# Altium PCB S7V10Logger.PcbDoc (part 1 of 2) (continued)
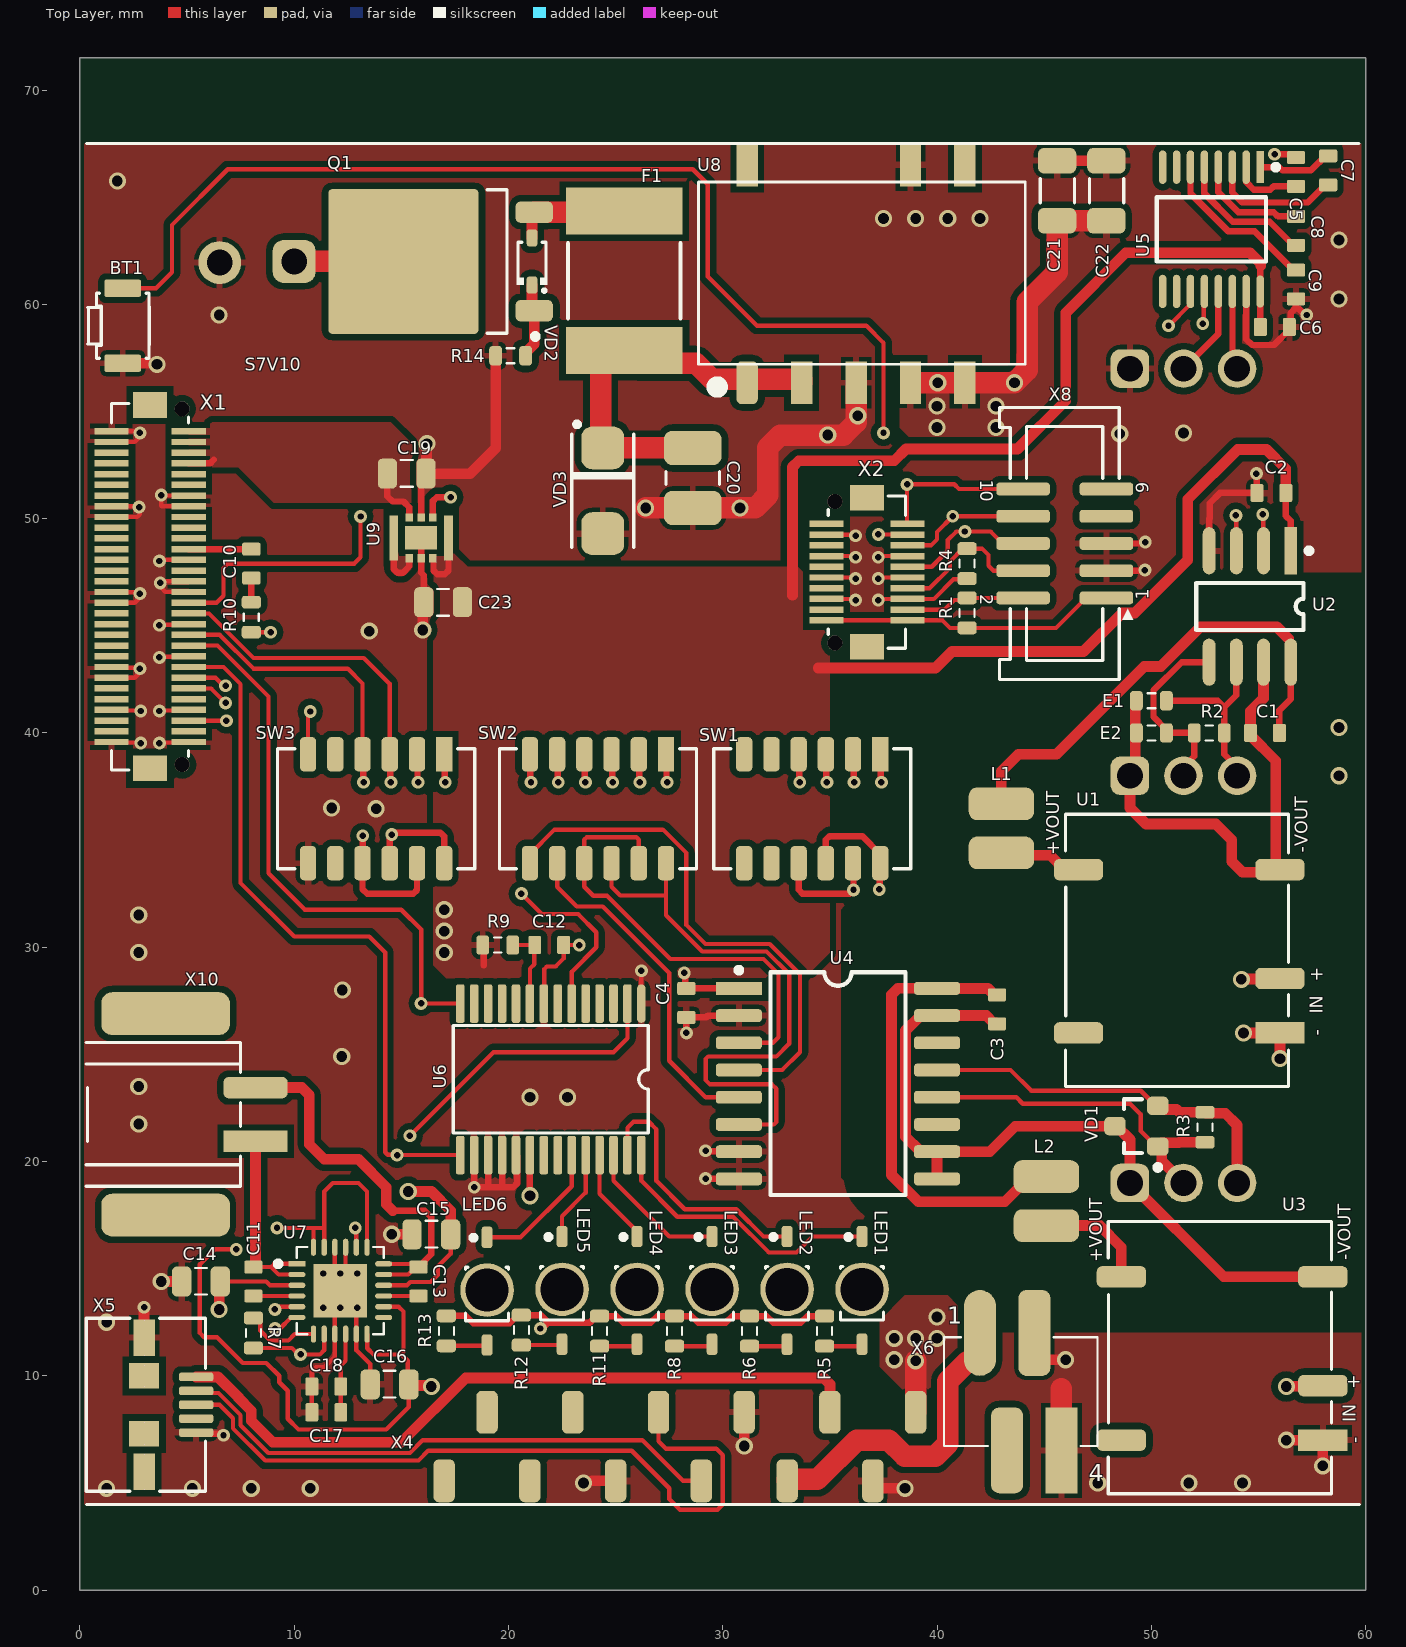
[diagram p0: Top Layer view]
## Design rules (kind name [scope] priority, off if disabled: settings)
BoardOutlineClearance [All] p1: gap=0.2 ignorepadtopadclearanceinfootprint=FALSE
Clearance Clearance_Isol2_pads [InNetClass('Isol2') vs (InPadClass('Isol2_pads'))] p1: gap=0.15 ignorepadtopadclearanceinfootprint=FALSE
Clearance Clearance_Isol2 [InNetClass('Isol2') vs not InNetClass('Isol2')] p2: gap=2 ignorepadtopadclearanceinfootprint=TRUE
Clearance Clearance_Isol1 [InNetClass('Isol1') vs not InNetClass('Isol1')] p3: gap=2 ignorepadtopadclearanceinfootprint=TRUE
Clearance Clearance_Polygons [InPolygon] p4: gap=0.3 ignorepadtopadclearanceinfootprint=FALSE
Clearance Clearance_24V [InNetClass('24V')] p5: gap=0.3 ignorepadtopadclearanceinfootprint=TRUE
Clearance [All] p6: gap=0.15 ignorepadtopadclearanceinfootprint=FALSE
ComponentClearance [All] p1: gap=0 collisioncheckmode=3 verticalgap=0 showdistances=FALSE
Height [All] p1: minheight=0 maxheight=100 prefheight=12.7
HoleSize [All] p1: absolutevalues=TRUE maxlimit=5 minlimit=0.1 maxpercent=80.000 minpercent=20.000
HoleToHoleClearance [All] p1: gap=0.15 allowstackedmicrovias=TRUE
MinimumAnnularRing [All] p1: minimumring=0.1
MinimumSolderMaskSliver [All] p1: minsoldermaskwidth=0.05
PlaneClearance [All] p1: clearance=0.15
PlaneConnect [All] p1: planeconnectstyle=Direct reliefexpansion=0.508 reliefentries=4 reliefconductorwidth=0.254 reliefairgap=0.254
PolygonConnect PolygonConnect_U9 [InComponent('U9') or InComponent('C19')  or InComponent('C23')] p1: thpad.connectstyle=Direct thpad.reliefconductorwidth=0.254 thpad.reliefentries=4 thpad.polygonreliefangle="90 Angle" thpad.airgapwidth=0.254 smdpad.connectstyle=Direct smdpad.reliefconductorwidth=0.254 smdpad.reliefentries=4 smdpad.polygonreliefangle="90 Angle" smdpad.airgapwidth=0.254 via.connectstyle=Relief via.reliefconductorwidth=0.254 via.reliefentries=4 via.polygonreliefangle="90 Angle" via.airgapwidth=0.254
PolygonConnect [All] p2: thpad.connectstyle=Relief thpad.reliefconductorwidth=0.3 thpad.reliefentries=4 thpad.polygonreliefangle="90 Angle" thpad.airgapwidth=0.2 smdpad.connectstyle=Relief smdpad.reliefconductorwidth=0.3 smdpad.reliefentries=4 smdpad.polygonreliefangle="90 Angle" smdpad.airgapwidth=0.2 via.connectstyle=Direct via.reliefconductorwidth=0.2 via.reliefentries=4 via.polygonreliefangle="90 Angle" via.airgapwidth=0.2
RoutingVias [All] p1: holewidth=0.15 width=0.45 viastyle="Through Hole" minholewidth=0.15 minwidth=0.45 maxholewidth=5 maxwidth=6
SilkToSilkClearance [All] p1: silktosilkclearance=0.05
SilkToSolderMaskClearance [IsPad] p1: minsilkscreentomaskgap=0 clearancetoexposedcopper=TRUE
SolderMaskExpansion [All] p1: expansion=0.05 istentingtop=FALSE
Width [All] p1: maxlimit=10 minlimit=0.1 preferedwidth=0.3
21 further rules are at their usual default settings.

## Classes and differential pairs
pad class Isol2_pads: U4-11 U4-14
net class Isol2: IGND2 ISO5V_2 NetL2_1 NetR3_1 NetR3_2
net class Isol1: CAN0H CAN0L IGND1 ISO5V_1 NetL1_1
net class 24V: +24V NetC20_1 NetF1_1 NetQ1_1

## Components (designator, comment, footprint, x,y, rotation, side; value= is the part's Value field where it differs from the comment)
BT1 "B3U-3000P" B3U-3000P 2,59 r90 top
C1 "CL10B104KA8NNND" "0603 CAP" 55.3,40 r0 top value=0.1µF
C2 "CL10B104KA8NNND" "0603 CAP" 55.6,51.2 r180 top value=0.1µF
C3 "CL10B104KA8NNND" "0603 CAP" 42.8,27.1 r90 top value=0.1µF
C4 "CL10B104KA8NNND" "0603 CAP" 28.3,27.4 r90 top value=0.1µF
C5 "CL10B104KA8NNND" "0603 CAP" 56.75,66.175 r90 top value=0.1µF
C6 "CL10B104KA8NNND" "0603 CAP" 55.762,58.938 r0 top value=0.1µF
C7 "CL10B104KA8NNND" "0603 CAP" 58.25,66.25 r90 top value=0.1µF
C8 "CL10B104KA8NNND" "0603 CAP" 56.75,63.425 r90 top value=0.1µF
C9 "CL10B104KA8NNND" "0603 CAP" 56.75,60.925 r90 top value=0.1µF
C10 "Capacitor" "0603 CAP" 8,47.9 r270 top value=1µF
C11 "CL10B104KA8NNND" "0603 CAP" 8.1,14.4 r270 top value=0.1µF
C12 "Capacitor" "0603 CAP" 21.9,30.1 r0 top value=33pF
C13 "CL10B104KA8NNND" "0603 CAP" 15.8,14.4 r90 top value=0.1µF
C14 "Capacitor" "0805 CAP" 5.6,14.4 r180 top value=10µF
C15 "Capacitor" "0805 CAP" 16.35,16.6 r180 top value=10µF
C16 "Capacitor" "0805 CAP" 14.4,9.6 r180 top value=10µF
C17 "Capacitor" "0603 CAP" 11.5,8.3 r180 top value=1µF
C18 "Capacitor" "0603 CAP" 11.5,9.5 r180 top value=1µF
C19 "Capacitor" "0805 CAP" 15.2,52.1 r180 top value=10µF
C20 "GRM32DF51H106ZA01L" 3225[1210] 28.6,51.9 r270 top value="10 uF"
C21 "Capacitor" "1206 CAP" 45.6,65.3 r90 top value=10µF
C22 "Capacitor" "1206 CAP" 47.9,65.3 r90 top value=10µF
C23 "Capacitor" "0805 CAP" 17,46.1 r0 top value=10µF
E1 "823 560 505 60" 0603 50,41.5 r0 top
E2 "823 560 505 60" 0603 50,40 r0 top
F1 "0ZCF0075AF2C" "2920 (7351 Metric)" 25.4,61.1 r270 top value=1.5A
L1 "82223C" "8200 Series Murata" 43,34.4 r90 top value="22 uH"
L2 "82223C" "8200 Series Murata" 45.1,17.01 r90 top value="22 uH"
LED1 "SSL-LXA228SIC-TR31" SSL-LXA228SIC-TR31 36.5,11.475 r90 top
LED2 "SSL-LXA228SIC-TR31" SSL-LXA228SIC-TR31 33,11.475 r90 top
LED3 "SSL-LXA228SIC-TR31" SSL-LXA228SIC-TR31 29.5,11.475 r90 top
LED4 "SSL-LXA228SIC-TR31" SSL-LXA228SIC-TR31 26,11.475 r90 top
LED5 "SSL-LXA228SIC-TR31" SSL-LXA228SIC-TR31 22.5,11.475 r90 top
LED6 "SSL-LXA228SIC-TR31" SSL-LXA228SIC-TR31 19,11.44 r90 top
Q1 "ATP112-TL-H" "ATPAK, On Semiconductor" 16.85,62 r180 top
R1 "Resistor" 0603 41.4,45.6 r270 top value="10 k"
R2 "RL0603E120-1" 0603 52.7,40 r0 top value="120 R"
R3 "RL0603E120-1" 0603 52.5,21.6 r90 top value="120 R"
R4 "Resistor" 0603 41.4,47.9 r270 top value="10 k"
R5 "Resistor" 0603 34.75,12.086 r90 top value=200
R6 "Resistor" 0603 31.25,12.086 r90 top value=200
R7 "Resistor" 0603 8.1,12 r90 top value="30 k"
R8 "Resistor" 0603 27.75,12.086 r90 top value=200
R9 "Resistor" 0603 19.5,30.1 r180 top value="3.92 k"
R10 "Resistor" 0603 8,45.4 r270 top value="22 k"
R11 "Resistor" 0603 24.25,12.086 r90 top value=200
R12 "Resistor" 0603 20.6,12.136 r90 top value=200
R13 "Resistor" 0603 17.1,12.1 r90 top value=200
R14 "RL0603K100-1" 0603 20.1,57.6 r0 top value="100 K"
S7V10 "Comment" S7V10 39.995,6.675 r90 top locked
SW1 "CHS-06TA" "CHS-06TA Copal Electronics" 34.175,36.46 r180 top
SW2 "CHS-06TA" "CHS-06TA Copal Electronics" 24.175,36.46 r180 top
SW3 "CHS-06TA" "CHS-06TA Copal Electronics" 13.825,36.46 r180 top
U1 "NXE1S0305MC-R7" "NXE1 Murata" 56,26 r90 top
U2 "ISO1044BD" SO-8 54.6,45.9 r180 top
U3 "NXE1S0305MC-R7" "NXE1 Murata" 58,7 r90 top
U4 "ISO3088DWR" SO-G16/D10.4 30.75,28.08 r270 top
U5 "SP3232EUEY-L" TSOP65P640-16AM 52.8,63.5 r270 top
U6 "MCP23016-I/SS" MICROCHIP_SSOP28_0.65_5.3 26.2,27.37 r270 top
U7 "MAX9768BETG+" "THIN QFN 24 with via" 12.15,13.975 r0 top
U8 "SVR10S05" SVR10S05 31.14,56.34 r0 top
U9 "XCL220B333FR-G" XCL219 15.925,49.1 r0 top
VD1 "CDSOT23-SM712" SOT23 50.3,20.7 r90 top
VD2 "MM3Z10VB" SOD323 21.1,62 r90 top
VD3 "SMAJ28A" SMA 24.4,51.3 r90 top value="28 V"
X1 "10132797-067100LF" 10132797-067100LF 3.275,46.825 r90 top
X2 "10132797-027100LF" 10132797-027100LF 36.728,47.501 r270 top locked
X3 "1881561" 1881561 54,38 r270 bottom
X4 "SMM-112-02-S-S" SMM-112-02-S-S 39,8.3 r180 top locked
X5 "10104110-0001LF" "FCI micro USB B receptacle SMD" 5.427,9.95 r270 top
X6 "AMP188275-4" AMP188275-4 43.905,9.26 r0 top
X7 "1881561" 1881561 54,19 r270 bottom
X8 "SHF-105-01-L-D-SM" SHF-105-01-L-D-SM 47.9,46.3 r90 top
X9 "1881561" 1881561 54,57 r270 bottom
X10 "1814919" 1814919 8.2,20.95 r270 top
X11 "MCV 1,5/2-G-3,5" "mcv1.5-2-g_3.5 Green  + MC 1,5 2-ST-3,5 - 1840366" 10.025,61.949 r270 bottom

## Footprints (in the part's own frame and the unit in brackets; to place one, negate y for a bottom-side part, rotate by r counter-clockwise, add the part's x,y. Pads: shape width x height; smd on the part's side, far side on the other; paste and mask are expansions set on the pad)
0603 [mm] "Chip Resistor; Body 1.6 x 0.8 mm (LxW typ)"
  rrect50% 0.6x0.9 smd mask+0.06: 1(-0.7,0) 2(0.7,0)
  silkscreen extent -0.18,-0.35 0.18,0.35, body extent -0.79,-0.4 0.81,0.4, height 0.45
"0603 CAP" [mm] "Chip Capacitor; Body 1.6 x 0.8 mm (LxW typ)"
  rrect25% 0.6x0.85 smd mask+0.06: 1(-0.675,0) 2(0.675,0)
  body extent -0.85,-0.45 0.85,0.45, height 0.8
"0805 CAP" [mm] "Chip Capacitor; Body 2.0 x 1.2 mm (LxW typ)"
  rrect50% 0.9x1.4 smd mask+0.07: 1(-0.95,0) 2(0.85,0)
  silkscreen extent -0.33,-0.64 0.23,0.61, body extent -1.05,-0.64 0.95,0.62, height 1.25
"1206 CAP" [mm] "Chip Capacitor; Body 3.2 x 1.6 mm (LxW typ)"
  rrect50% 1.2x1.8 smd: 1(-1.4,0) 2(1.4,0)
  silkscreen extent -0.56,-0.81 0.56,0.79, body extent -1.6,-0.81 1.6,0.79, height 1.15
"2920 (7351 Metric)" [mm] "Chip Resistor, 2-Leads, Body 7.36x5.12mm, IPC Medium Density"
  rect 2.2x5.45 smd: 1(-3.25,0) 2(3.25,0)
  silkscreen extent -1.75,-2.62 1.75,2.63, body extent -3.99,-2.72 3.99,2.72, height 1.15
3225[1210] [mm] "Chip Capacitor; Body 3.2 x 2.5 mm (LxW typ)"
  rrect50% 1.6x2.7 smd: 1(-1.4,0) 2(1.4,0)
  silkscreen extent -0.3,-1.25 0.3,1.25, body extent -1.6,-1.25 1.6,1.25, height 1.15
"8200 Series Murata" [mm]
  rrect50% 1.52x3.05 smd mask+0.1: 1(0,0) 2(2.29,0)
  body extent -0.45,-1.6 2.75,1.6, height 2
1814919 [mm] "PTSM 0,5/ 2-HH0-2,5-SMD WH R32, Phoenix"
  rect 1x3 smd: 1(0,0)
  rrect50% 1x3 smd: 2(-2.5,0)
  rrect50% 2x6 smd: M1(-5.95,-4.2) M2(3.45,-4.2)
  silkscreen extent -4.6,-7.9 2.1,-0.7, body extent -6.58,-8.19 4.02,1.31, height 5
1881561 [mm] "Printed-circuit board connector - MCV 0,5/ 3-G-2,5 Phoenix"
  rrect50% 1.8x1.8 / inner round 1.8 / far side round 1.8 hole 1.2 mask+0.07: 1(0,0)
  round 1.8 hole 1.2 mask+0.07: 2(0,2.5)
  round 1.8 / inner rrect50% 1.8x1.8 / far side rrect50% 1.8x1.8 hole 1.2 mask+0.07: 3(0,5)
  silkscreen extent -4.2,-2.2 3.9,7.2, body extent -4.2,-2.2 3.9,7.2, height 10.11
10132797-027100LF [mm] "20 Position Connector Plug, Outer Shroud Contacts Surface Mount Gold"
  rect 0.3x1.6 smd mask+0.05: 1(2.25,1.891) 2(1.75,1.891) 3(1.25,1.891) 4(0.75,1.891) 5(0.25,1.891) 6(-0.25,1.891) 7(-0.75,1.891) 8(-1.25,1.891) 9(-1.75,1.891) 10(-2.25,1.891) 11(-2.25,-1.891) 12(-1.75,-1.891) 13(-1.25,-1.891) 14(-0.75,-1.891) 15(-0.25,-1.891) 16(0.25,-1.891) 17(0.75,-1.891) 18(1.25,-1.891) 19(1.75,-1.891) 20(2.25,-1.891)
  round 0.7 hole 0.7 unplated mask+0.05: MH1(-3.3,-1.5) MH2(3.3,-1.5)
  rect 1.2x1.6 smd mask+0.05: MP1(-3.475,0) MP2(3.475,0)
  silkscreen extent -3.55,-1.8 3.55,1.8, body extent -4,-2.3 4,2.3, height 5.31
10132797-067100LF [mm] "60 Position Connector Plug, Center Strip Contacts Surface Mount Gold"
  rect 0.3x1.6 smd mask+0.05: 1(7.25,1.8) 2(6.75,1.8) 3(6.25,1.8) 4(5.75,1.8) 5(5.25,1.8) 6(4.75,1.8) 7(4.25,1.8) 8(3.75,1.8) 9(3.25,1.8) 10(2.75,1.8) 11(2.25,1.8) 12(1.75,1.8) 13(1.25,1.8) 14(0.75,1.8) 15(0.25,1.8) 16(-0.25,1.8) 17(-0.75,1.8) 18(-1.25,1.8) 19(-1.75,1.8) 20(-2.25,1.8) 21(-2.75,1.8) 22(-3.25,1.8) 23(-3.75,1.8) 24(-4.25,1.8) 25(-4.75,1.8) 26(-5.25,1.8) 27(-5.75,1.8) 28(-6.25,1.8) 29(-6.75,1.8) 30(-7.25,1.8) 31(-7.25,-1.8) 32(-6.75,-1.8) 33(-6.25,-1.8) 34(-5.75,-1.8) 35(-5.25,-1.8) 36(-4.75,-1.8) 37(-4.25,-1.8) 38(-3.75,-1.8) 39(-3.25,-1.8) 40(-2.75,-1.8) 41(-2.25,-1.8) 42(-1.75,-1.8) 43(-1.25,-1.8) 44(-0.75,-1.8) 45(-0.25,-1.8) 46(0.25,-1.8) 47(0.75,-1.8) 48(1.25,-1.8) 49(1.75,-1.8) 50(2.25,-1.8) 51(2.75,-1.8) 52(3.25,-1.8) 53(3.75,-1.8) 54(4.25,-1.8) 55(4.75,-1.8) 56(5.25,-1.8) 57(5.75,-1.8) 58(6.25,-1.8) 59(6.75,-1.8) 60(7.25,-1.8)
  round 0.7 hole 0.7 unplated mask+0.05: MH1(-8.3,-1.498) MH2(8.3,-1.498)
  rect 1.2x1.6 smd mask+0.05: MP1(-8.475,0.002) MP2(8.475,0.002)
  silkscreen extent -8.55,-1.8 8.55,1.8, body extent -9,-2.3 9,2.3, height 5.31
AMP188275-4 [mm]
  oval 1.5x4 smd: 1(-1.905,2.74)
  rrect50% 1.5x4 smd: 2(-0.635,-2.74) 3(0.635,2.74)
  rect 1.5x4 smd: 4(1.905,-2.74)
  silkscreen extent -3.58,-2.54 3.58,2.54, body extent -3.53,-3.45 3.57,3.45, height 5.2
"ATPAK, On Semiconductor" [mm] "D-PAK, 3-Pads, Body 6.83x6.69mm (max), IPC Medium Density"
  rrect50% 1.75x1 smd: 1(-4.35,2.3) 3(-4.35,-2.3)
  rrect5% 7x6.75 smd: 4(1.75,0)
  silkscreen extent -4.52,-3.35 -2.15,3.62, body extent -3.2,-3.32 4.25,3.32, height 1.65
B3U-3000P [mm] "Omron tact switch B3U-3000P"
  rrect20% 0.8x1.7 smd: 1(-1.75,0) 2(1.75,0)
  silkscreen extent -1.53,-1.25 1.53,1.65, body extent -2,-1.3 2,1.9, height 1.21
"CHS-06TA Copal Electronics" [mm]
  rect 0.76x1.6 smd: 1(-3.175,-2.54)
  rrect50% 0.76x1.6 smd: 2(-1.905,-2.54) 3(-0.635,-2.54) 4(0.635,-2.54) 5(1.905,-2.54) 6(3.175,-2.54) 7(3.175,2.54) 8(1.905,2.54) 9(0.635,2.54) 10(-0.635,2.54) 11(-1.905,2.54) 12(-3.175,2.54)
  silkscreen extent -4.6,-2.8 4.6,2.8, body extent -4.6,-2.8 4.6,2.8, height 2.53
"FCI micro USB B receptacle SMD" [mm]
  rrect50% 0.4x1.6 smd mask+0.05: 1(0,0) 2(0.65,0) 3(1.3,0) 4(1.95,0) 5(2.6,0)
  rect 1.7x1 smd mask+0.05: G1(-1.83,-2.43) G4(4.43,-2.43)
  rect 1.2x1.4 smd mask+0.05: G2(-0.05,-2.427) G3(2.65,-2.427)
  silkscreen extent -2.74,-5.13 5.34,0.44, body extent -2.74,-5.13 5.34,0.44, height 2.75
"mcv1.5-2-g_3.5 Green  + MC 1,5 2-ST-3,5 - 1840366" [mm] "mcv1.5-2-g_3.5"
  rrect50% 2x2 hole 1.2 mask+0.05: 1(-0.051,0.025)
  round 2 hole 1.2 mask+0.05: 2(0,3.5)
  silkscreen extent -4.25,-2.45 3,5.95, body extent -4.85,-2.44 6.25,5.96, height 18.72
MICROCHIP_SSOP28_0.65_5.3 [mm]
  oval 1.8x0.4 smd mask+0.05: 1(0,0)
  rrect50% 1.8x0.4 smd mask+0.05: 2(0,-0.65) 3(0,-1.3) 4(0,-1.95) 5(0,-2.6) 6(0,-3.25) 7(0,-3.9) 8(0,-4.55) 9(0,-5.2) 10(0,-5.85) 11(0,-6.5) 12(0,-7.15) 13(0,-7.8) 14(0,-8.45) 15(7.07,-8.45) 16(7.07,-7.8) 17(7.07,-7.15) 18(7.07,-6.5) 19(7.07,-5.85) 20(7.07,-5.2) 21(7.07,-4.55) 22(7.07,-3.9) 23(7.07,-3.25) 24(7.07,-2.6) 25(7.07,-1.95) 26(7.07,-1.3) 27(7.07,-0.65) 28(7.07,0)
  silkscreen extent 1.02,-8.78 6.05,0.33, body extent 0.89,-8.76 6.1,0.38, height 1
"NXE1 Murata" [mm]
  rect 1x2.3 smd mask+0.1: 1(0,0)
  rrect50% 1x2.3 smd mask+0.1: 3(2.54,0) 7(7.62,0) 8(7.62,9.4) 14(0,9.4)
  silkscreen extent -2.5,-0.4 10.2,10.01, body extent -2.5,-0.4 10.2,10.01, height 4.36
S7V10 [mm]
  body extent -0.67,0 50,40, height 10.22
SHF-105-01-L-D-SM [mm]
  rrect50% 0.6x2.5 smd mask+0.05: 1(0,0) 2(0,3.886) 3(1.27,0) 4(1.27,3.886) 5(2.54,0) 6(2.54,3.886) 7(3.81,0) 8(3.81,3.886) 9(5.08,0) 10(5.08,3.886)
  silkscreen extent -3.81,-1.25 8.89,4.99, body extent -3.81,-1.1 8.89,4.99, height 5.47
SMA [mm]
  rrect50% 2x2 smd: 1(2,0) 2(-2,0)
  silkscreen extent -2.65,-1.45 3.2,1.45, body extent -2.65,-1.45 2.65,1.45, height 2.55
SMM-112-02-S-S [mm] "SMM-112-02-S-S Semtech"
  rrect50% 1x2 smd mask+0.05: 1(0,0) 2(2,3.2) 3(4,0) 4(6,3.2) 5(8,0) 6(10,3.2) 7(12,0) 8(14,3.2) 9(16,0) 10(18,3.2) 11(20,0) 12(22,3.2)
  body extent -1,-0.55 22.99,3.77, height 3.7
SO-8 [mm] "Small Outline; 8 Leads; Body Width 3.9 mm; Pitch 1.27 mm"
  rect 0.6x2.2 smd mask+0.05: 1(-1.905,-2.6)
  oval 0.6x2.2 smd mask+0.05: 2(-0.635,-2.6) 3(0.635,-2.6) 4(1.905,-2.6) 5(1.905,2.6) 6(0.635,2.6) 7(-0.635,2.6) 8(-1.905,2.6)
  silkscreen extent -2.88,-2.72 2.5,1.1, body extent -2.51,-3.09 2.49,3.09, height 2.16
SO-G16/D10.4 [mm] "Plastic Small Outline; 16 Leads; Body Width 7.5 mm"
  rect 0.6x2.15 smd: 1(0,0)
  rrect50% 0.6x2.15 smd: 2(1.27,0) 3(2.54,0) 4(3.81,0) 5(5.08,0) 6(6.35,0) 7(7.62,0) 8(8.89,0) 9(8.89,9.25) 10(7.62,9.25) 11(6.35,9.25) 12(5.08,9.25) 13(3.81,9.25) 14(2.54,9.25) 15(1.27,9.25) 16(0,9.25)
  silkscreen extent -0.97,-0.12 9.64,7.77, body extent -0.76,1.14 9.65,8.13, height 1.5
SOD323 [mm] "Molded Diode, 2-Leads, Body 1.7x1.3mm, IPC Medium Density"
  rrect50% 0.8x0.5 smd mask+0.06: 1(-1.1,0) 2(1.1,0)
  silkscreen extent -1.41,-0.72 0.9,0.72, body extent -0.9,-0.67 0.9,0.67, height 1.15
SOT23 [mm] "SOT-23; 3 Leads; Body 3.0 x 2.6 mm, inc. leads (LxW max)"
  rrect50% 0.85x1 smd mask+0.05: 1(0,0) 2(1.9,0) 3(0.95,2)
  silkscreen extent -1.1,-0.13 2.2,1.58, body extent -0.3,0.38 2.2,1.58, height 1
SSL-LXA228SIC-TR31 [mm]
  rrect50% 1x0.5 smd mask+0.07: 1(0,0) 2(5.025,0)
  round 2.5 hole 2 mask+0.07: MH0(2.56,0)
  silkscreen extent 1.13,-1 5.11,1, body extent -0.44,-0.99 5.37,1.01, height 1.49
SVR10S05 [mm] "SVR10S05 Non-Isolated PoL Module DC DC Converter"
  rrect50% 1x2 smd: 1(0,0)
  rect 1x2 smd: 2(2.54,0) 3(5.08,0) 4(7.62,0) 5(10.16,0) 6(10.16,10.16) 7(7.62,10.16) 10(0,10.16)
  silkscreen extent -2.27,-0.45 12.97,9.36, body extent -2.27,0.86 12.97,9.36, height 8.25
"THIN QFN 24 with via" [mm] "QFN, 24-Leads, Body 4.0x4.0mm (max), Pitch 0.50mm, IPC Medium Density"
  rect 0.8x0.25 smd mask+0.06: 1(-2.025,1.25)
  oval 0.8x0.25 smd mask+0.06: 2(-2.025,0.75) 3(-2.025,0.25) 4(-2.025,-0.25) 5(-2.025,-0.75) 6(-2.025,-1.25) 13(2.025,-1.25) 14(2.025,-0.75) 15(2.025,-0.25) 16(2.025,0.25) 17(2.025,0.75) 18(2.025,1.25)
  oval 0.25x0.8 smd mask+0.06: 7(-1.25,-2.025) 8(-0.75,-2.025) 9(-0.25,-2.025) 10(0.25,-2.025) 11(0.75,-2.025) 12(1.25,-2.025) 19(1.25,2.025) 20(0.75,2.025) 21(0.25,2.025) 22(-0.25,2.025) 23(-0.75,2.025) 24(-1.25,2.025)
  rect 2.5x2.5 smd paste-0.8 mask+0.06: 25(0,0)
  silkscreen extent -3.02,-2.03 2.03,2.03, body extent -2,-2 2,2, height 0.8
TSOP65P640-16AM [mm] "TSOP, 16-Leads, Body 5x4.4mm, Pitch 0.65mm, IPC Low Density"
  rect 1.5x0.35 smd: 1(-2.9,2.275)
  oval 1.56x0.35 smd: 2(-2.9,1.625) 3(-2.9,0.975) 4(-2.9,0.325) 5(-2.9,-0.325) 6(-2.9,-0.975) 7(-2.9,-1.625) 8(-2.9,-2.275) 9(2.9,-2.275) 10(2.9,-1.625) 11(2.9,-0.975) 12(2.9,-0.325) 13(2.9,0.325) 14(2.9,0.975) 15(2.9,1.625)
  oval 1.5x0.35 smd: 16(2.9,2.275)
  silkscreen extent -3.02,-2.55 1.5,3.13, body extent -2.25,-2.55 2.25,2.55, height 1.1
XCL219 [mm]
  rect 0.35x0.375 smd mask+0.05: 1(-0.55,-0.95) 2(0,-0.95) 3(0.55,-0.95) 4(0.55,0.95) 5(0,0.95) 6(-0.55,0.95)
  rect 0.4x2.1 smd mask+0.05: 7(-1.275,0) 8(1.275,0)
  rect 1.5x1.1 smd mask+0.05: 9(0,0)
  body extent -1.25,-1 1.25,1, height 1.4

## Part data
BT1: "Tactile Switch SPST-NO Side Actuated Surface Mount, Right Angle", Manufacturer="Omron Electronics Inc-EMC Div", PartNum=SW1022CT-ND, Distributor=Digi-Key, PartName=B3U-3000P, Price=1$
C1 C2 C3 C4 C5 C6 C7 C8 C9 C11 C13: library part CL10B104KO8NNNC, "0.1µF, ±10%, 16V, X7R, 0603 (1608 Metric), -55°C ~ 125°C, -, General Purpose", Manufacturer="Samsung Electro-Mechanics", Operating Temperature="-55°C ~ 125°C", Package / Case="0603 (1608 Metric)", PartNum=1276-1005-1-ND, Temperature Coefficient=X7R, Tolerance=±10%, Voltage - Rated=16V, Distributor=Digi-Key, Features=-, PartName=CL10B104KO8NNNC, Part Number=CL10B104KO8NNNC, Price=0.01480
C10 C17 C18: library part CL10A105MP8NNNC, "1µF, ±20%, 10V, X5R, 0603 (1608 Metric), -55°C ~ 85°C, -, General Purpose", Manufacturer="Samsung Electro-Mechanics", Operating Temperature="-55°C ~ 85°C", Package / Case="0603 (1608 Metric)", PartNum=1276-1866-1-ND, Temperature Coefficient=X5R, Tolerance=±20%, Voltage - Rated=10V, Distributor=Digi-Key, Features=-, PartName=CL10A105MP8NNNC, Part Number=CL10A105MP8NNNC, Price=0.01550
C12: library part 885012006035, "33pF, ±5%, 25V, C0G, NP0, 0603 (1608 Metric), -55°C ~ 125°C, -, General Purpose", Manufacturer="Wurth Electronics Inc.", Operating Temperature="-55°C ~ 125°C", Package / Case="0603 (1608 Metric)", PartNum=732-7777-1-ND, Temperature Coefficient="C0G, NP0", Tolerance=±5%, Voltage - Rated=25V, Distributor=Digi-Key, Features=-, PartName=885012006035, Part Number=885012006035, Price=0.02440
C14 C15 C16 C19 C23: library part EMK212ABJ106MG-T, "10µF, ±20%, 16V, X5R, 0805 (2012 Metric), -55°C ~ 85°C, -, SMPS Filtering", Manufacturer="Taiyo Yuden", Operating Temperature="-55°C ~ 85°C", Package / Case="0805 (2012 Metric)", PartNum=587-6005-1-ND, Temperature Coefficient=X5R, Tolerance=±20%, Voltage - Rated=16V, Distributor=Digi-Key, Features=-, PartName=EMK212ABJ106MG-T, Part Number=EMK212ABJ106MG-T, Price=0.22000
C20: "10uF, 50V, 20%, Y5V (F), 1210", Manufacturer="Taiyo Yuden", PartName=UMK325BJ106MM-T, PartNum=587-2225-2-ND, Tolerance=20%, Voltage=50V, Distributor=Digi-Key, Price=0.16$
C21 C22: library part CL31A106KAHNFNE, "10µF, ±10%, 25V, X5R, 1206 (3216 Metric), -55°C ~ 85°C, -, General Purpose", Manufacturer="Samsung Electro-Mechanics", Operating Temperature="-55°C ~ 85°C", Package / Case="1206 (3216 Metric)", PartNum=1276-3038-1-ND, Temperature Coefficient=X5R, Tolerance=±10%, Voltage - Rated=25V, Distributor=Digi-Key, Features=-, PartName=CL31A106KAHNFNE, Part Number=CL31A106KAHNFNE, Price=0.09500
E1 E2: library part "823 560 501 01", "SUPPRESSOR ESD 5VDC, 56pF,  0603, -40..+85C", Manufacturer="Würth Elektronik", Voltage=5V, Distributor="Würth Elektronik", PartName="823 560 505 60", PartNum="823 560 505 60"
F1: "PTC RESETTABLE 60V 750MA, It=1.5A, 0.3s 2920(7351)", Manufacturer="Bel Fuse Inc.", PartNum=507-1743-1-ND, Distributor=Digi-Key, PartName=0ZCF0075AF2C
L1 L2: "22uH, 320 mA, 0.92 Ohm, +-10%,- 40..85 C", Manufacturer="TDK Corporation", PartNum=811-2475-1-ND, Tolerance=±10%, Distributor=Mouser, PartName=82223C
LED1 LED2 LED3 LED4 LED5 LED6: "LED RED CLEAR 2SMD REV, 20mA, 2V, 475 mcd, 1.9 mm", Manufacturer=EVERLIGHT, PartNum=67-2243-1-ND, PartName=SSL-LXA228SIC-TR31, Price="0.11 Euro"
Q1: "P-Channel MOSFET, –25 A, –20 V, RDS(ON) = 0.04,  VGS = –10 V", Manufacturer="ON Semiconductor", PartNum=ATP112-TL-HOSCT-ND, Distributor=Digi-Key, PartName=ATP112-TL-H, Price=0.87$
R1 R4: library part CR0603-FX-1002GLF, "10 kOhms, ±1%, 0.1W, 1/10W, Thick Film, ±100ppm/°C, 0603 (1608 Metric), -55°C ~ 155°C, Moisture Resistant", Manufacturer="Bourns Inc.", Operating Temperature="-55°C ~ 155°C", Package / Case="0603 (1608 Metric)", PartNum=CR0603-FX-1002GLFCT-ND, Power (Watts)="0.1W, 1/10W", Temperature Coefficient=±100ppm/°C, Tolerance=±1%, Voltage=75V, Distributor=Digi-Key, Features="Moisture Resistant", PartName=CR0603-FX-1002GLF, Part Number=CR0603-FX-1002GLF, Price=0.00860
R2 R3: "120 R, 1%, 0603, SMD Resistor, Taped", Manufacturer=Vishay, PartName=RL0603E120, Tolerance=±1%, Voltage="75 V", Distributor=Schukat, PartNum=RL0603E120
R5 R6 R8 R11 R12 R13: library part RMCF0603FT200R, "200 Ohms, ±1%, 0.1W, 1/10W, Thick Film, ±100ppm/°C, 0603 (1608 Metric), -55°C ~ 155°C, Automotive AEC-Q200", Manufacturer="Stackpole Electronics Inc.", Operating Temperature="-55°C ~ 155°C", Package / Case="0603 (1608 Metric)", PartNum=RMCF0603FT200RCT-ND, Power (Watts)="0.1W, 1/10W", Temperature Coefficient=±100ppm/°C, Tolerance=±1%, Voltage=75V, Distributor=Digi-Key, Features="Automotive AEC-Q200", PartName=RMCF0603FT200R, Part Number=RMCF0603FT200R, Price=0.00690
R7: library part RMCF0603FT30K0, "30 kOhms, ±1%, 0.1W, 1/10W, Thick Film, ±100ppm/°C, 0603 (1608 Metric), -55°C ~ 155°C, Automotive AEC-Q200", Manufacturer="Stackpole Electronics Inc.", Operating Temperature="-55°C ~ 155°C", Package / Case="0603 (1608 Metric)", PartNum=RMCF0603FT30K0CT-ND, Power (Watts)="0.1W, 1/10W", Temperature Coefficient=±100ppm/°C, Tolerance=±1%, Voltage=75V, Distributor=Digi-Key, Features="Automotive AEC-Q200", PartName=RMCF0603FT30K0, Part Number=RMCF0603FT30K0, Price=0.00690
R9: library part RMCF0603FG3K92, "3.92 kOhms, ±1%, 0.1W, 1/10W, Thick Film, ±100ppm/°C, 0603 (1608 Metric), -55°C ~ 155°C, Automotive AEC-Q200", Manufacturer="Stackpole Electronics Inc.", Operating Temperature="-55°C ~ 155°C", Package / Case="0603 (1608 Metric)", PartNum=RMCF0603FG3K92CT-ND, Power (Watts)="0.1W, 1/10W", Temperature Coefficient=±100ppm/°C, Tolerance=±1%, Voltage=75V, Distributor=Digi-Key, Features="Automotive AEC-Q200", PartName=RMCF0603FG3K92, Part Number=RMCF0603FG3K92, Price=0.00690
R10: library part RMCF0603FG22K0, "22 kOhms, ±1%, 0.1W, 1/10W, Thick Film, ±100ppm/°C, 0603 (1608 Metric), -55°C ~ 155°C, Automotive AEC-Q200", Manufacturer="Stackpole Electronics Inc.", Operating Temperature="-55°C ~ 155°C", Package / Case="0603 (1608 Metric)", PartNum=RMCF0603FG22K0CT-ND, Power (Watts)="0.1W, 1/10W", Temperature Coefficient=±100ppm/°C, Tolerance=±1%, Voltage=75V, Distributor=Digi-Key, Features="Automotive AEC-Q200", PartName=RMCF0603FG22K0, Part Number=RMCF0603FG22K0, Price=0.00690
R14: "100 K, 1%, 0603, SMD Resistor, Taped", Manufacturer=Vishay, Tolerance=1%, Voltage="75 V", Distributor=Schukat, PartNum=RL0603K100-1, Price="0.002 Euro"
SW1 SW2 SW3: "Dip Switch SPST 6 Position Surface Mount Slide (Standard) Actuator 100mA 6VDC", Manufacturer="Copal Electronics Inc.", PartNum=563-1009-1-ND, Distributor=Digi-Key, PartName=CHS-06TA
U1 U3: "DC/DC 3V In 5V Out, 200mA, 1W, 3kV, -40..+85 C,", Manufacturer="Murata Power Solutions Inc.", PartNum=811-3099-1-ND, Distributor=Digi-Key, PartName=NXE1S0305MC-R7, Price=3$
U2: "1/1 Transceiver Full CAN, 5Mbps,  1.71V ~ 1.89V, 2.25V ~ 5.5V, 4.5V, -40°C ~ 125°C (TA), 8-SOIC (0.154\", 3.90mm Width)", Manufacturer="Texas Instruments", PartNum=296-ISO1044BD-ND, Distributor=Digi-Key, PartName=ISO1044BD, Price=4.13$
U4: "RS422, RS485 Digital Isolator 2500Vrms, 20Mbps 25kV/µs CMTI 16-SOIC, -40°C ~ 85°C", Manufacturer="Texas Instruments", PartNum=296-41274-1-ND, Distributor=Digi-Key, PartName=ISO3088DWR, Price=6$
U5: "IC TXRX RS232 ESD TRUE, 1 Mbps, -40+85C, 16TSSOP", Manufacturer="Exar Corporation", PartNum=1016-1510-5-ND, Distributor=Digi-Key, PartName=SP3232EUEY-L, Price=1.5$
U6: "I2C 16-bit I/O Port Expander, 2..5.5 V, -40..+85 C", Manufacturer=Microchip, Distributor=DigiKey, Price=2$
U7: "IC Audio amp, Class D 10W, mono,  4.5..14 V, -40..+85 C, 24-TQFN", Manufacturer="Maxim Integrated", PartNum=MAX9768BETG+-ND, Distributor=Digi-Key, PartName=MAX9768BETG+, Price=2.85$
U8: "Non-Isolated PoL Module DC DC Converter Output 5V 8V - Input, 1A, -40...+85 C", Manufacturer="XP Power", PartNum=1470-SVR10S05-ND, Distributor=Digi-Key, PartName=SVR10S05, Price=3.6$
U9: "Non-Isolated PoL Module DC DC Converter Output 3.3V - - 1A 2.5V - 5.5V Input, 1A, -40°C ~ 105°C,  (2.5mm x 2.0mm x 1.0mm)", Manufacturer="Torex Semiconductor Ltd", PartNum=893-1279-1-ND, Distributor=Digi-Key, PartName=XCL220B333FR-G, Price=2.58$
VD1: "26V, 14V Clamp 17A (8/20µs) Ipp Tvs Diode Surface Mount SOT-23-3", Manufacturer="Bourns Inc.", PartNum=CDSOT23-SM712CT-ND, Distributor=Digi-Key, PartName=CDSOT23-SM712, Price=1.46$
VD2: "Zener diode, 10V, 18 Ohm, 200mW, SOD-323F", Manufacturer="ON Semiconductor", PartNum=MM3Z10VBCT-ND, Voltage=10V, Distributor=Digi-Key, PartName=MM3Z10VB, Price=0.18$
VD3: "DIODE TVS 28V 400W UNI 5% SMD", Manufacturer="Bourns Inc.", PartNum=SMAJ28ABCT-ND, Distributor=Digi-Key, PartName=SMAJ28A, Price=0.18$
X1: "60 Position Connector Plug, Center Strip Contacts Surface Mount Gold", Manufacturer="Amphenol ICC (FCI)", PartNum=609-5229-1-ND, Distributor=Digi-Key, PartName=10132797-067100LF
X2: "20 Position Connector Plug, Outer Shroud Contacts Surface Mount Gold", Manufacturer="Amphenol ICC (FCI)", PartNum=609-5232-1-ND, Distributor=Digi-Key, PartName=10132797-027100LF
X3 X7 X9: "Printed-circuit board connector - MCV 0,5/ 3-G-2,5 - 1881561", Manufacturer="Phoenix Contact", PartName="MCV 0,5/ 3-G-2,5", Distributor="Phoenix Contact", PartNum=1881561, Price=0.33
X4: "12 pins, 2 mm step", Manufacturer="Samtec Inc.", PartNum=SAM1244-12-ND, Distributor=Digi-Key, PartName=SMM-112-02-S-S, Price=4.35$
X5: "USB - micro B USB 2.0 Receptacle Connector 5 Position Surface Mount, Right Angle", Manufacturer="Amphenol FCI", PartNum=609-4052-1-ND, Distributor=Digi-Key, PartName=10104110-0001LF, Price=0.79$
X6: "SMD Connector Female 4-Pole", Manufacturer=AMP, PartNum=A99473CT-ND, Distributor=Digi-Key, PartName=AMP188275-4, Price=0.98$, Price50=0.78$, Price100=0.74$, Price1000=0.68$
X8: "10 Positions Header Connector 0.050\" (1.27mm) Surface Mount Gold", Manufacturer="Samtec Inc.", PartName=SHF-105-01-L-D-SM-TR, PartNum=SAM14533CT-ND, Distributor=Digi-Key
X10: "SSL Connector Position Header, Male Pins Board to Cable/Wire 0.098\" (2.50mm) Solder", Manufacturer="Phoenix Contact", PartNum=277-9963-1-ND, Distributor=Digi-Key, PartName=1814919
X11: "HEADER, VERTICAL, 3.5MM, 2WAY", Manufacturer="PHOENIX CONTACT", PartNum=1843606, Distributor=Farnell, PartName="MCV 1,5/2-G-3,5"

## Via types
v1: diameter 0.6, hole 0.3, Top Layer to Bottom Layer, tented both sides, 79 vias
v2: diameter 0.8, hole 0.5, Top Layer to Bottom Layer, tented both sides, 69 vias
v3: diameter 0.7/0.7/0.7 (per signal layer), hole 0.3, Top Layer to Bottom Layer, tented both sides, 6 vias

## Nets (pads, with @x,y where several pads share a name; then routed paths per layer and width w, separated by ;. In a path a pad name is that pad's centre, name@x,y a point inside that pad or via, vN(x,y) a via of type N, cw(c..) or ccw(c..) an arc to the next point about the centre after c; other vN are vias at no path point)
+3V3: C2.1 C4.2 C6.1 C16.1 C23.2 R5.2 R6.2 R8.2 R9.2 R11.2 R12.2 R13.2 U1.3 U2.1 U3.3 U4.1 U5.16 U6.20 U7.12 U7.14 U7.19 U7.23 U7.24 U9.3 U9.8 | length 141.9
  Top Layer w0.2: v1(7.3,15.9) 6.3,15.9 5.6,15.2 5.6,12 5.8,11.8 6.4,11.8 7.6,10.6 8.7,10.6 9.3,10 9.3,9.7 9.7,9.3 9.7,8 10.2,7.5 14.3,7.5 15.35,8.55 C16.1@15.35,9.6 15.3,9.65 15.3,10.7 15,11 ; v1(9.2,16.9) 10.9,16.9 ; U7.24@10.9,16 10.9,16.9 ; U7.23@11.4,16 11.4,16.9 ; U7.12@13.4,11.95 13.41,11.94 13.41,11.29 13.7,11 15,11 ; U7.19@13.4,16 13.4,18.6 13,19 11.8,19 11.4,18.6 11.4,16.9 ; U7.14@14.175,13.225 14.875,13.225 15.1,13 15.1,11.1 15,11 ; 10.9,16.9 11.4,16.9
  Top Layer w0.3: U9.3@16.475,48.15 16.5,48.125 16.5,47.576 16.676,47.4 17.024,47.4 17.2,47.576 U9.8@17.2,49.1 ; R13.2@17.1,12.8 18.008,12.8 18.358,12.45 20.064,12.45 20.45,12.836 R12.2@20.6,12.836 21.508,12.836 21.858,12.486 ; 18.853,29.147 R9.2@18.853,30.047 ; v2@21,18.265 v2(21,18.4) U6.20@21,20.3 ; v1(21.49,12.21) 21.571,12.21 21.847,12.486 21.858,12.486 ; v1(28.2,28.8) 28.25,28.75 28.25,28.125 C4.2@28.3,28.075 28.302,28.078 30.748,28.078 U4.1@30.75,28.08 ; R5.2@34.75,12.786 33.942,12.786 33.642,12.486 32.358,12.486 32.058,12.786 R6.2@31.25,12.786 30.442,12.786 30.142,12.486 28.858,12.486 28.558,12.786 R8.2@27.75,12.786 26.942,12.786 26.642,12.486 25.358,12.486 25.058,12.786 R11.2@24.25,12.786 24.1,12.786 23.8,12.486 21.858,12.486 ; C6.1@55.088,58.938 55.088,59.999 55.075,60.011 U5.16@55.075,60.6 55.085,60.61 55.085,61.785 55.1,61.8 ; C2.1@56.275,51.2 56.275,50.125 56.505,49.895 U2.1@56.505,48.5
  Top Layer w0.5: C16.1@15.35,9.6 15.4,9.55 16.35,9.55 v2(16.4,9.5) ; 33.25,46.422 33.25,52.407 33.543,52.7 38,52.7 38.55,53.25 43.75,53.25 46,55.5 46,59.6 48.8,62.4 54.6,62.4 55.1,61.9 55.1,61.8 ; 34.45,43.026 39.926,43.026 40.7,43.8 46.837,43.8 48.637,45.6 49.228,45.6 51.7,48.072 51.7,50.9 54.025,53.225 55.375,53.225 56.275,52.325 C2.1@56.275,51.2 ; v2(54.2,28.5) 54.22,28.52 55.98,28.52 U1.3@56,28.54 ; v2(56.3,9.5) 56.32,9.52 57.98,9.52 U3.3@58,9.54
  Signal Layer 1 w0.2: v1(7.3,15.9) 8.3,16.9 v1(9.2,16.9)
  Signal Layer 1 w0.5: v1(21.49,12.21) v1@21.5,12.2
  other v2: 17,29.75 17,30.75 17,31.75
+3V3CPU: R1.2 X2.1 X2.20 X8.1 | length 13.8
  Top Layer w0.2: X2.20@34.837,45.251 X2.1@38.619,45.251 40.249,45.251 40.6,44.9 45.55,44.9 46.95,46.3 X8.1@47.9,46.3
+5V0: C14.1 C15.1 C21.1 C22.1 U7.3 U7.16 U8.4 U8.5 X4.1 | length 31.3
  Top Layer w0.2: C14.1@6.55,14.4 8.7,14.4 8.875,14.225 U7.3@10.125,14.225 ; U7.16@14.175,14.225 15.265,14.225 15.415,14.375 16.375,14.375 16.7,14.7 16.7,15.1 17.3,15.7 C15.1@17.3,16.6
  Top Layer w0.5: v2(6.5,13.1) 6.5,14.35 C14.1@6.55,14.4 ; v2(15.326,18.6) 16.407,18.6 17.3,17.707 C15.1@17.3,16.6
  Top Layer w1: U8.4@38.76,56.34 v2(40.03,56.34) U8.5@41.3,56.34 v2(43.614,56.34) 44.2,56.926 44.2,60.1 45.6,61.5 C21.1@45.6,63.9 C22.1@47.9,63.9 ; X4.1@39,8.3 v2(39,10.7)
  Signal Layer 1 w0.5: v2@6.5,13.019 v2(6.5,13.1) ; v2(15.326,18.6) v2@15.352,18.574
  other v2: 38,10.75 38,11.75 39,11.75 40,11.75 40,12.75 40,54.25 42.75,54.25 40,55.25 42.75,55.25
+24V: Q1.4 X11.1 | length 5.1
  Top Layer w1: X11.1@10,62 Q1.4@15.1,62